# Altium PCB radxa_nx4_io_board_v1.11.PcbDoc (part 9 of 13) (continued)
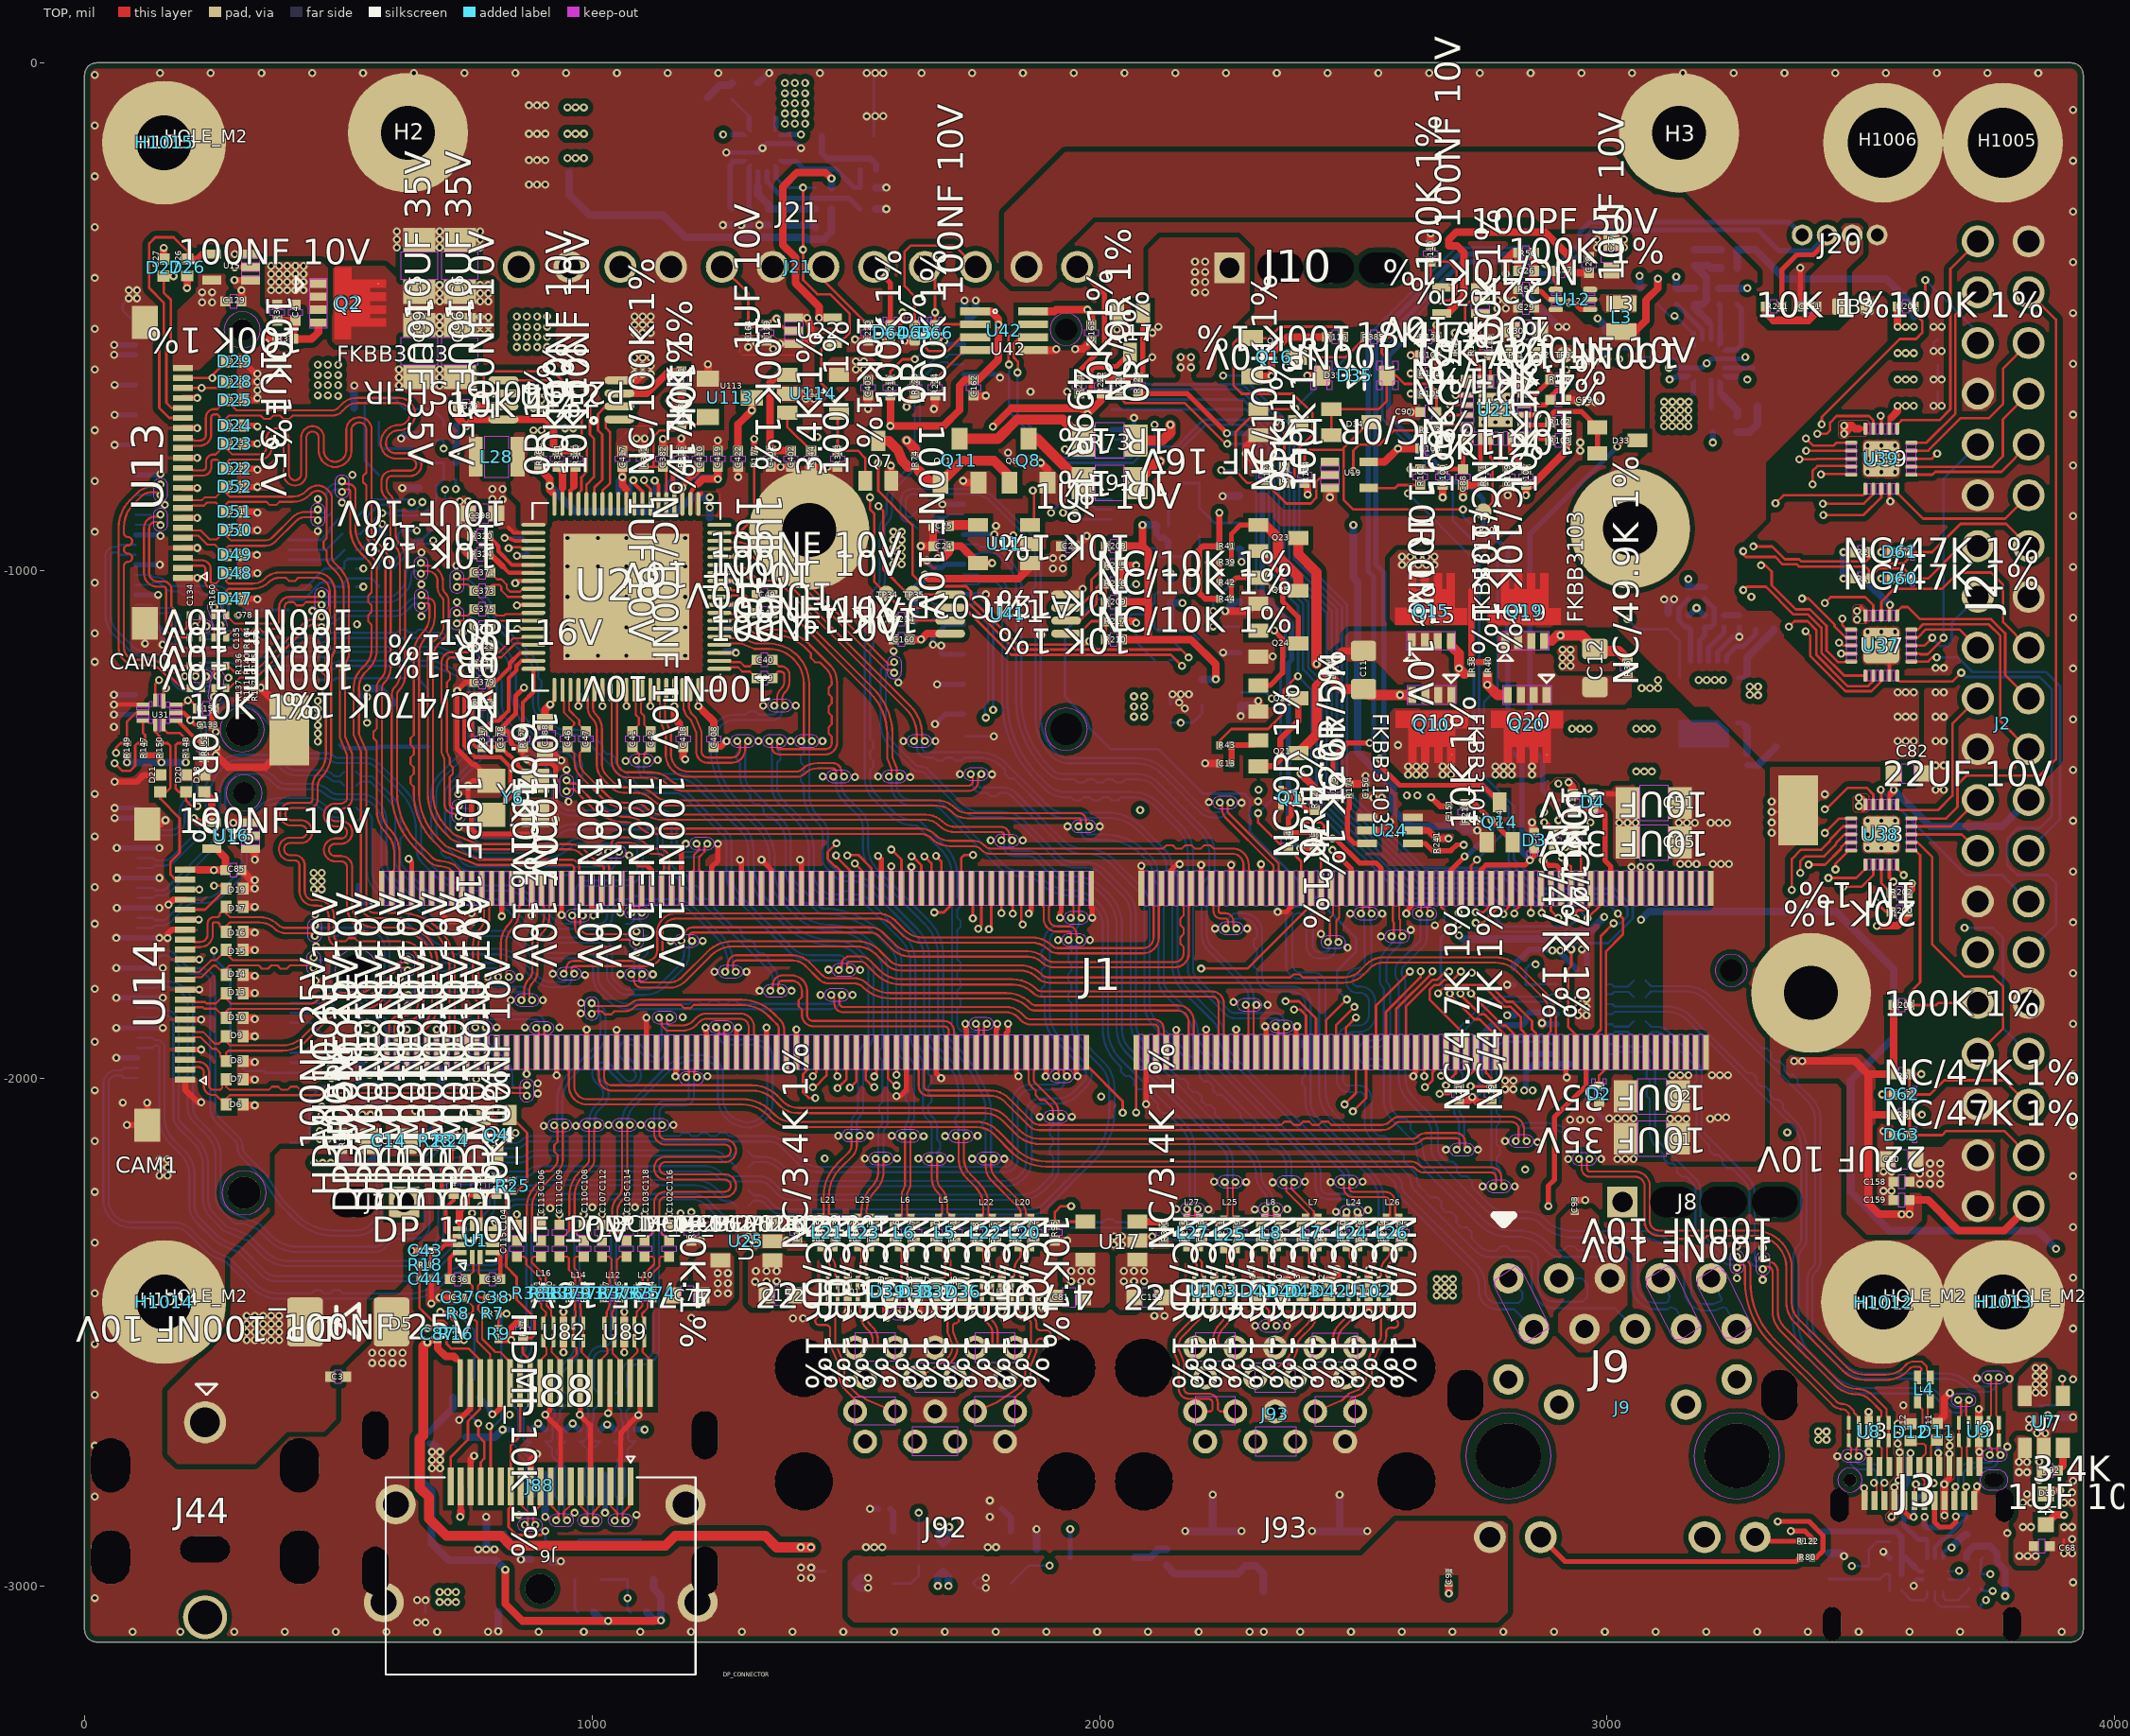
[diagram p0: TOP view]
## Nets (pads, with @x,y where several pads share a name; then routed paths per layer and width w, separated by ;. In a path a pad name is that pad's centre, name@x,y a point inside that pad or via, vN(x,y) a via of type N, cw(c..) or ccw(c..) an arc to the next point about the centre after c; other vN are vias at no path point) (continued)
  TOP w5: U38.14@3599.24,-1504.25 3677.75,-1504.25 J2.18@3730,-1452
SPI1_CS1: J1.112 U38.4 | length 2408.8
  TOP w5: v1(1655.06,-1563.06) 1668.69,-1576.69 J1.112@1668.69,-1626.09 ; v1(3396.85,-1579.45) 3429.33,-1579.45 3460.46,-1548.32 3460.69,-1547.16 3462.01,-1543.97 3470.23,-1535.75 U38.4@3480.76,-1535.75
  ART04 w5: v1(1655.06,-1563.06) 1688.63,-1596.63 1892.05,-1596.63 1923.92,-1628.5 2010.07,-1628.5 2057.28,-1675.71 2304.92,-1675.71 2456.71,-1827.5 2493.1,-1827.5 2561.48,-1895.88 2746.46,-1895.88 2790.32,-1852.02 2790.32,-1838.17 2795.32,-1833.17 2809.17,-1833.17 2823.01,-1819.33 2823.01,-1803.69 2818.01,-1798.69 2801.4,-1798.69 2796.4,-1793.69 2796.4,-1783.69 2801.4,-1778.69 2818.01,-1778.69 2823.01,-1773.69 2823.01,-1765.38 2829.06,-1759.33 2879.33,-1759.33 2886.9,-1766.9 2952.94,-1766.9 2972.07,-1747.77 3088.23,-1747.77 3216.88,-1619.12 3258.91,-1619.12 3298.58,-1579.45 3327.3,-1579.45 3332.3,-1574.45 3332.3,-1564.17 3337.3,-1559.17 3347.3,-1559.17 3352.3,-1564.17 3352.3,-1574.45 3357.3,-1579.45 3368,-1579.45 3372,-1575.45 3372,-1525.47 3377,-1520.47 3391.85,-1520.47 3396.85,-1525.47 v1(3396.85,-1579.45)
SPI1_CS1_LS: J2.16 U38.13 | length 144
  TOP w5: U38.13@3599.24,-1520 3698,-1520 J2.16@3730,-1552
SPI1_MISO: J1.108 U38.1 | length 2415.7
  TOP w5: J1.108@1629.32,-1626.09 v1(1629.32,-1584) ; v1(3428.74,-1517.12) 3457.36,-1488.5 U38.1@3480.76,-1488.5
  ART04 w5: v1(1629.32,-1584) 1667.95,-1622.63 1881.27,-1622.63 1913.14,-1654.5 1999.28,-1654.5 2066.49,-1721.71 2314.14,-1721.71 2457.95,-1865.52 2457.95,-1886.44 2493.39,-1921.88 2798.85,-1921.88 2837,-1883.73 2837,-1842.14 2886.24,-1792.9 2963.72,-1792.9 2982.85,-1773.77 3145.04,-1773.77 3231.86,-1686.95 3238.95,-1686.95 3257.34,-1705.34 3264.42,-1705.34 3271.51,-1698.25 3271.51,-1691.17 3255.71,-1675.37 3255.71,-1668.29 3262.78,-1661.22 3269.86,-1661.22 3285.66,-1677.02 3292.74,-1677.02 3299.81,-1669.95 3299.81,-1662.87 3286.01,-1649.07 3286.01,-1641.99 3293.08,-1634.92 3300.16,-1634.92 3313.96,-1648.72 3321.04,-1648.72 3328.11,-1641.65 3328.11,-1634.57 3324.31,-1630.77 3324.31,-1623.69 3331.38,-1616.62 3338.46,-1616.62 3342.26,-1620.42 3349.34,-1620.42 3357.23,-1612.53 3387.11,-1612.53 3428.74,-1570.9 v1(3428.74,-1517.12)
SPI1_MISO_LS: J2.22 U38.16 | length 341.6
  TOP w5: U38.16@3571.5,-1460.76 3571.5,-1467.76 3575.74,-1472 3652,-1472 3680,-1444 3680,-1302 J2.22@3730,-1252
SPI1_MOSI: J1.104 U38.2 | length 2409
  TOP w5: J1.104@1589.95,-1626.09 v1(1589.95,-1582.81) ; v1(3363.77,-1629.33) 3363.77,-1568.19 3382.01,-1549.95 3422.05,-1549.95 3437.98,-1534.02 3439.96,-1529.24 3464.95,-1504.25 U38.2@3480.76,-1504.25
  ART04 w5: v1(1589.95,-1582.81) 1642.77,-1635.63 1875.88,-1635.63 1907.75,-1667.5 1993.89,-1667.5 2061.1,-1734.71 2308.75,-1734.71 2444.95,-1870.91 2444.95,-1891.83 2488,-1934.88 2576.95,-1934.88 2581.95,-1939.88 2581.95,-1955 2586.95,-1960 2596.95,-1960 2601.95,-1955 2601.95,-1939.88 2606.95,-1934.88 2616.95,-1934.88 2621.95,-1939.88 2621.95,-1955 2626.95,-1960 2636.95,-1960 2641.95,-1955 2641.95,-1939.88 2646.95,-1934.88 2804.24,-1934.88 2850,-1889.12 2850,-1847.53 2891.63,-1805.9 2969.11,-1805.9 2988.24,-1786.77 3150.44,-1786.77 3216.71,-1720.5 3272.6,-1720.5 v1(3363.77,-1629.33)
SPI1_MOSI_LS: J2.37 U38.15 | length 1301.2
  TOP w5: U38.15@3599.24,-1488.5 3667.5,-1488.5 3690,-1466 3690,-1422 3708,-1404 3852,-1404 3884,-1372 3884,-506 J2.37@3830,-452
SPI1_SCK: J1.106 U38.19 | length 2419
  TOP w5: v1(1589.95,-1549.81) 1609.64,-1569.5 J1.106@1609.64,-1626.09 ; v1(3428.79,-1470.5) 3431.51,-1470.5 3474.01,-1428 3511,-1428 3524.25,-1441.25 U38.19@3524.25,-1460.76
  ART04 w5: v1(1589.95,-1549.81) 1611.95,-1527.81 1668.61,-1527.81 1719.43,-1578.63 1899.51,-1578.63 1931.38,-1610.5 2017.53,-1610.5 2064.74,-1657.71 2312.38,-1657.71 2464.17,-1809.5 2500.56,-1809.5 2568.94,-1877.88 2736.23,-1877.88 2772.32,-1841.79 2772.32,-1782.31 2813.3,-1741.33 2842.27,-1741.33 2853.83,-1729.77 3027.3,-1729.77 3034.57,-1722.5 3088.04,-1722.5 3209.42,-1601.12 3251.45,-1601.12 3296.57,-1556 3315.01,-1556 3400.51,-1470.5 v1(3428.79,-1470.5)
SPI1_SCK_LS: J2.13 U38.18 | length 411.3
  TOP w5: v1(3539,-1432) 3540,-1433 U38.18@3540,-1460.76
  BOTTOM w5: v1(3539,-1432) 3707,-1600 3778,-1600 J2.13@3830,-1652
SUSCLK_32KHZ: J1.210 U5.2 | length 740.3
  TOP w5: v1(2707.51,-1674.19) 2712,-1669.7 J1.210@2712,-1626.09
  ART04 w5: v1(2339,-1252) 2351.71,-1252 2427.85,-1328.14 2427.85,-1444.95 2580.98,-1598.08 2653.13,-1598.08 2707.51,-1652.46 v1(2707.51,-1674.19)
  BOTTOM w5: U5.2@2278.19,-1240 2327,-1240 v1(2339,-1252)
SYS_RST*: C164.1 D2.2 J1.239 J21.8 R119.1 U22.2 | length 3124.3
  TOP w5: J21.8@1256,-402.18 1308,-454.18 C164.1@1308,-520.19 1308.19,-520 1324,-520 1327.75,-516.25 R119.1@1344,-516.25 1356.25,-504 v1(1364,-504) 1364,-508 1384,-528 U22.2@1397.81,-528 ; D2.2@2984,-2016 2984,-1994.84 2997.43,-1981.41 J1.239@2997.43,-1948.92 2997.43,-1750.57 3031.2,-1716.8 3031.2,-1685.89 v1(3021.31,-1676)
  ART04 w5: v1(1364,-504) 1402.24,-504 1417.15,-518.91 1594.91,-518.91 1607.33,-531.33 1750.37,-531.33 1781.54,-562.5 1819.34,-562.5 1888.34,-631.5 2228.02,-631.5 v1(2243.52,-616)
  BOTTOM w5: v1(2243.52,-616) 2278.58,-616 2393.52,-730.94 2393.52,-973.52 2487.5,-1067.5 2487.5,-1433.84 2639.66,-1586 2805.05,-1586 2866.08,-1647.03 2992.34,-1647.03 v1(3021.31,-1676)
TN1_V+: J8.1 J9.11 | length 578.6
  ART04 w20: J9.11@2805.24,-2593.21 2744,-2531.97 2744,-2384 2780,-2348 2819.43,-2348 2863.43,-2304 2970,-2304 J8.1@3030,-2244
TN2_V+: J8.2 J9.12 | length 621
  ART04 w20: J9.12@2905.24,-2643.21 2905.24,-2473.24 2856,-2424 2856,-2368 2876,-2348 3026,-2348 J8.2@3130,-2244
TN3_V+: J8.3 J9.13 | length 533.7
  ART04 w20: J9.13@3155.24,-2643.21 3108,-2595.97 3108,-2472 3060,-2424 3060,-2372 3100,-2332 3142,-2332 J8.3@3230,-2244
TN4_V+: J8.4 J9.14 | length 403.4
  ART04 w20: J9.14@3255.24,-2593.21 3308,-2540.45 3308,-2468 3280,-2440 3280,-2324.58 3330,-2274.58 J8.4@3330,-2244
UART0_CTS: J1.105 J15.34 | length 1393.8
  TOP w5: v1(1599.8,-1993.4) J1.105@1599.8,-1948.92
  ART03 w5: v1(1599.8,-1993.4) 1606.3,-1986.9 1606.3,-1704.15 1724.42,-1586.03 1724.42,-1539.07 1866.5,-1396.99 1866.5,-948.28 v1(1928.32,-886.46)
  BOTTOM w5: v1(1928.32,-886.46) 1944.82,-869.96 1984,-869.96 1993.69,-879.65 J15.34@2023.74,-879.65
UART0_RTS: J1.103 J15.36 | length 1435.4
  TOP w5: J1.103@1580.11,-1948.92 1580.11,-1980.11 1583,-1983 1583,-2000.6 1596.8,-2014.4 v1(1599.8,-2014.4)
  ART03 w5: v1(1599.8,-2014.4) 1606.8,-2014.4 1616.3,-2004.9 1616.3,-1708.3 1734.42,-1590.18 1734.42,-1543.22 1876.5,-1401.14 1876.5,-953.35 1926.89,-902.96 1935.82,-902.96 v1(1952.32,-886.46)
  BOTTOM w5: v1(1952.32,-886.46) 1965.19,-899.33 J15.36@2023.74,-899.33
UART0_RXD: J1.101 J15.22 | length 1532
  TOP w5: v1(1556.1,-1996.62) 1560.43,-1992.29 J1.101@1560.43,-1948.92
  ART03 w5: v1(1556.1,-1996.62) 1556.1,-1992.9 1586.3,-1962.7 1586.3,-1695.85 1704.42,-1577.73 1704.42,-1530.77 1846.5,-1388.69 1846.5,-905.3 1932,-819.8 v1(1932,-761.54)
  BOTTOM w5: v1(1932,-761.54) J15.22@2023.74,-761.54
UART0_TXD: J1.99 J15.32 | length 1486
  TOP w5: J1.99@1540.74,-1948.92 1540.74,-1985.32 1539.6,-1986.46 1539.6,-2003.46 1553.76,-2017.62 v1(1556.1,-2017.62)
  ART03 w5: v1(1556.1,-2017.62) 1560.9,-2017.62 1576,-2002.52 1576,-1987.16 1596.3,-1966.86 1596.3,-1700 1714.42,-1581.88 1714.42,-1534.92 1856.5,-1392.84 1856.5,-934.28 v1(1904.32,-886.46)
  BOTTOM w5: v1(1904.32,-886.46) 1930.82,-859.96 J15.32@2023.74,-859.96
UART1_CTS: J1.209 U38.7 | length 1124
  TOP w5: v1(2682.46,-2014.21) 2682.46,-2010.08 2702.16,-1990.38 J1.209@2702.16,-1948.92 ; v1(3465,-1623.06) 3500.94,-1623.06 3524.25,-1599.75 U38.7@3524.25,-1579.24
  ART04 w5: v1(2682.46,-2014.21) 2714.67,-1982 2946.55,-1982 2966.55,-2002 3036.45,-2002 3064.45,-1974 3097.81,-1974 3199.78,-1872.03 3216.03,-1872.03 v1(3465,-1623.06)
UART1_CTS_LS: J2.36 R201.2 U38.10 | length 1614.8
  TOP w5: v1(3422.65,-712) 3422.65,-698.01 3576.66,-544 3608.5,-544 3620.5,-532 3620.5,-508.51 3603.75,-491.76 R201.2@3603.75,-480 3603.75,-456 3621.09,-456 3626.59,-450.5 v1(3626.59,-428) ; U38.10@3571.5,-1579.24 3571.5,-1587.5 v1(3584,-1600)
  ART04 w5: v1(3422.65,-712) 3428,-712 3442.14,-726.14 3442.14,-897.8 3428,-911.94 3428,-1037.22 3446.73,-1055.95 3446.73,-1092.77 3426.99,-1112.51 3426.99,-1183.49 3529.5,-1286 3529.5,-1353.62 3591.5,-1415.62 3591.5,-1455.01 3614,-1477.51 3614,-1570 v1(3584,-1600)
  BOTTOM w5: v1(3626.59,-428) 3730,-531.41 J2.36@3730,-552
UART1_RTS: J1.207 U37.7 | length 1868.1
  TOP w5: v1(2672.65,-1995.64) 2682.47,-1985.82 J1.207@2682.47,-1948.92 ; v1(3358.1,-1110.73) 3368.83,-1100 3394.69,-1100 3412,-1117.31 3412,-1166.4 3473.34,-1227.74 3514.28,-1227.74 3524.25,-1217.77 U37.7@3524.25,-1207.24
  ART04 w5: v1(2672.65,-1995.64) 2696.29,-1972 2950.7,-1972 2970.7,-1992 3032.3,-1992 3060.3,-1964 3093.66,-1964 3197.41,-1860.25 3197.41,-1786.49 3230.4,-1753.5 3311.22,-1753.5 3466.18,-1598.54 3466.18,-1575.6 3446.79,-1556.21 3446.79,-1291 3358.1,-1202.31 v1(3358.1,-1110.73)
UART1_RTS_LS: J2.11 U37.10 | length 1011.9
  TOP w5: U37.10@3571.5,-1207.24 3571.5,-1214.5 3576,-1219 3679.96,-1219 v1(3697.48,-1201.48)
  BOTTOM w5: v1(3697.48,-1201.48) 3706,-1210 3852,-1210 3876,-1234 3876,-1484 3852,-1508 3808,-1508 3788,-1528 3788,-1580 3808,-1600 3868,-1600 3884,-1616 3884,-1698 J2.11@3830,-1752
UART1_RXD: J1.205 U38.6 | length 1200.3
  TOP w5: v1(2641.19,-2017.37) 2642.96,-2017.37 2656.15,-2004.18 2656.15,-1988.39 2662.79,-1981.75 J1.205@2662.79,-1948.92 ; v1(3435.81,-1605.57) 3490.43,-1605.57 3508.5,-1587.5 U38.6@3508.5,-1579.24
  ART04 w5: v1(2641.19,-2017.37) 2641.98,-2017.37 2656.15,-2003.2 2656.15,-1988.8 2682.95,-1962 2954.85,-1962 2974.85,-1982 3028.15,-1982 3056.15,-1954 3089.51,-1954 3187.41,-1856.1 3187.41,-1782.34 3226.25,-1743.5 3297.88,-1743.5 v1(3435.81,-1605.57)
UART1_RXD_LS: J2.10 R203.2 U38.11 | length 461
  TOP w5: U38.11@3599.24,-1551.5 3607.5,-1551.5 3616.5,-1560.5 3616.5,-1811.5 3595.75,-1832.25 R203.2@3595.75,-1856 3648,-1856 3652,-1852 J2.10@3730,-1852
UART1_TXD: J1.203 U38.5 | length 1143.2
  TOP w5: v1(2639.64,-1996.37) 2639.64,-1984.86 2643.1,-1981.4 J1.203@2643.1,-1948.92 ; v1(3449.68,-1588.89) 3449.68,-1577.5 3475.68,-1551.5 U38.5@3480.76,-1551.5
  ART04 w5: v1(2639.64,-1996.37) 2639.64,-1991.16 2678.8,-1952 2959,-1952 2979,-1972 3024,-1972 3052,-1944 3084.36,-1944 3177.41,-1850.95 3177.41,-1778.19 3222.1,-1733.5 3284.54,-1733.5 3429.15,-1588.89 v1(3449.68,-1588.89)
UART1_TXD_LS: J2.8 U38.12 | length 552
  TOP w5: U38.12@3599.24,-1535.75 3611.75,-1535.75 3640,-1564 3640,-1736 3704,-1800 3760,-1800 3780,-1820 3780,-1902 J2.8@3730,-1952
UART2_RXD: J1.238 U42.6 | length 2254.4
  TOP w5: v1(1838.27,-610.27) 1839.06,-609.48 1839.06,-588.38 1830.94,-580.26 1830.94,-553.06 1843.2,-540.8 U42.6@1869.09,-540.8 ; v1(2961.26,-1685.09) 2961.26,-1684.91 2987.59,-1658.58 J1.238@2987.59,-1626.09
  BOTTOM w5: v1(1838.27,-610.27) 1838.27,-691.15 1925.16,-778.04 2061.96,-778.04 2084,-756 2151.46,-756 2204.3,-703.16 2294.99,-703.16 2343.52,-751.69 2343.52,-994.27 2410.94,-1061.69 2410.94,-1190.85 2437.5,-1217.41 2437.5,-1454.59 2618.91,-1636 2752.34,-1636 2776,-1659.66 2776,-1680.35 2796.65,-1701 2911.13,-1701 2920,-1692.13 2920,-1679.72 2930.95,-1668.77 2944.94,-1668.77 v1(2961.26,-1685.09)
UART2_RXD_LS: D65.2 J21.3 U42.3 | length 485.2
  TOP w5: U42.3@1754.91,-540.8 1727.2,-540.8 1700,-568 1664,-568 1656,-560 1656,-528 1644,-516 D65.2@1636,-516 1636,-460 1616,-440 1616,-372 1628,-360 1713.82,-360 J21.3@1756,-402.18
UART2_TXD: J1.236 U42.7 | length 2270.9
  TOP w5: v1(1821.77,-594.44) 1820.94,-593.61 1820.94,-539.52 1845.26,-515.2 U42.7@1869.09,-515.2 ; v1(2937.79,-1685.27) 2937.79,-1674.05 2942.8,-1669.04 2957.43,-1669.04 2967.91,-1658.56 J1.236@2967.91,-1626.09
  BOTTOM w5: v1(1821.77,-594.44) 1821.77,-688.81 1921,-788.04 2066.11,-788.04 2088.15,-766 2155.61,-766 2208.45,-713.16 2290.84,-713.16 2333.52,-755.84 2333.52,-998.42 2400.94,-1065.84 2400.94,-1195 2427.5,-1221.56 2427.5,-1458.74 2614.76,-1646 2748.19,-1646 2766,-1663.81 2766,-1684.5 2792.5,-1711 2915.28,-1711 2937.79,-1688.49 v1(2937.79,-1685.27)
UART2_TXD_LS: D66.2 J21.4 R219.2 U42.2 | length 384.1
  TOP w5: R219.2@1588,-624.25 1588,-608 1612,-584 v1(1636,-584) ; J21.4@1656,-402.18 1676,-422.18 v1(1676,-492) D66.2@1676,-516 1676.8,-515.2 U42.2@1754.91,-515.2
  BOTTOM w5: v1(1636,-584) 1648,-572 1648,-520 v1(1676,-492)
USB0_AP_N: J1.109 L4.4 | length 2533.7
  TOP w4.06: J1.109@1639.17,-1948.92 1639.17,-1980.74 1643.83,-1985.4 1643.83,-2016 ccw(c1662.19,-2016) 1662.19,-2034.36 1783.98,-2034.36 cw(c1783.97,-2076.14) 1813.52,-2046.6 1860.11,-2093.19 ccw(c1882.25,-2071.04) 1882.26,-2102.36 2555.57,-2102.36 ccw(c2555.57,-2068.39) 2579.59,-2092.41 2582.22,-2089.78 cw(c2590.47,-2098.01) 2590.46,-2086.36 2811.68,-2086.36 cw(c2811.68,-2100.19) 2825.51,-2100.19 2825.51,-2118.63 v1(2820.19,-2123.95) ; v1(2965.32,-2159) 2960,-2164.32 2960,-2177.41 ccw(c2966.59,-2177.41) 2966.59,-2184 3055.2,-2184 cw(c3055.2,-2212.8) 3084,-2212.8 3084,-2282.17 ccw(c3101.83,-2282.17) 3101.83,-2300 3289.79,-2300 cw(c3289.79,-2373.63) 3363.42,-2373.63 3363.42,-2442.43 ccw(c3407.67,-2442.43) 3376.38,-2473.72 3471.47,-2568.94 ccw(c3507.67,-2532.97) 3507.67,-2584 3548.58,-2584 ccw(c3548.58,-2532.18) 3578.42,-2574.55 ccw(c3568.69,-2560.68) 3580.66,-2572.69 ; 3580.67,-2572.67 3591.46,-2561.88 3600.66,-2558.07 3619.83,-2558.07 3629.18,-2567.42 3629.18,-2575.47 3636.8,-2583.09 L4.4@3636.8,-2589.24
  BOTTOM w4.06: v1(2820.19,-2123.95) 2825.51,-2118.63 2825.51,-2104 cw(c2841.68,-2104) 2841.68,-2087.83 2873.78,-2087.83 cw(c2873.78,-2182.95) 2941.04,-2115.69 2952.9,-2127.55 cw(c2934.89,-2145.56) 2960.36,-2145.56 2960.36,-2154.04 v1(2965.32,-2159)
USB0_AP_P: J1.111 L4.3 | length 2532
  TOP w4.06: J1.111@1658.85,-1948.92 1658.85,-1980.74 1654.19,-1985.4 1654.19,-2016 ccw(c1662.19,-2016) 1662.19,-2024 1783.98,-2024 cw(c1783.98,-2076.15) 1820.85,-2039.27 1867.44,-2085.86 ccw(c1882.26,-2071.04) 1882.25,-2092 2357.69,-2092 2363.99,-2085.7 2376.17,-2085.7 2382.47,-2092 2394.65,-2092 2400.95,-2085.7 2413.13,-2085.7 2419.43,-2092 2431.61,-2092 2437.91,-2085.7 2450.09,-2085.7 2456.39,-2092 2555.57,-2092 ccw(c2555.56,-2068.4) 2572.26,-2085.08 2574.88,-2082.45 cw(c2590.45,-2098.02) 2590.45,-2076 2811.68,-2076 cw(c2811.68,-2100.19) 2835.87,-2100.19 2835.87,-2118.63 v1(2841.19,-2123.95) ; v1(2944.32,-2159) 2949.64,-2164.32 2949.64,-2177.41 ccw(c2966.59,-2177.41) 2966.59,-2194.36 3055.2,-2194.36 cw(c3055.2,-2212.8) 3073.64,-2212.8 3073.64,-2282.17 ccw(c3101.83,-2282.17) 3101.83,-2310.36 3135.61,-2310.36 3141.91,-2316.66 3154.09,-2316.66 3160.39,-2310.36 3172.57,-2310.36 3178.87,-2316.66 3191.05,-2316.66 3197.35,-2310.36 3209.53,-2310.36 3215.83,-2316.66 3228.01,-2316.66 3234.31,-2310.36 3289.79,-2310.36 cw(c3289.79,-2373.63) 3353.06,-2373.63 3353.06,-2442.43 ccw(c3407.68,-2442.44) 3369.05,-2481.05 3464.12,-2576.26 ccw(c3507.65,-2532.96) 3507.67,-2594.36 3548.57,-2594.36 ccw(c3548.59,-2532.17) 3584.38,-2583.03 3584.97,-2583.03 3597.33,-2570.67 3602.73,-2568.43 3615.53,-2568.43 3618.82,-2571.72 3618.82,-2575.47 3611.2,-2583.09 L4.3@3611.2,-2589.24
  BOTTOM w4.06: v1(2841.19,-2123.95) 2835.87,-2118.63 2835.87,-2104 cw(c2841.68,-2104) 2841.68,-2098.19 2873.78,-2098.19 cw(c2873.77,-2182.95) 2933.71,-2123.02 2945.57,-2134.88 cw(c2934.89,-2145.57) 2950,-2145.56 2950,-2153.32 v1(2944.32,-2159)
USB0_CON_N: D11.2 J3.A7 J3.B7 L4.1 | length 249.3
  TOP w4.06: J3.B7@3605.24,-2831.73 3605.24,-2802.76 v1(3608,-2800) ; L4.1@3636.8,-2636.48 3636.8,-2643.2 3631.48,-2648.52 3631.48,-2695.19 D11.2@3649.51,-2713.22 3637.97,-2724.76 3637.97,-2754.03 3634.84,-2757.16 3634.84,-2765.11 J3.A7@3634.76,-2765.19 3634.76,-2789.08 v1(3643.15,-2797.47)
  BOTTOM w4.06: v1(3608,-2800) 3640.62,-2800 v1(3643.15,-2797.47)
USB0_CON_P: D12.2 J3.A6 J3.B6 L4.2 | length 250.5
  TOP w4.06: L4.2@3611.2,-2636.48 3611.2,-2643.12 3621.12,-2653.04 3621.12,-2703.94 3617.06,-2708 3603.59,-2708 D12.2@3597.51,-2714.08 3603.43,-2720 3623.55,-2720 3627.61,-2724.06 3627.61,-2739.19 3615.08,-2751.72 J3.A6@3615.08,-2765.19 3615.08,-2782.49 3624.92,-2792.33 J3.B6@3624.92,-2831.73
USB0_VBUS_DET*: J1.87 R85.1 R126.2 | length 3535
  TOP w5: J1.87@1422.63,-1948.92 1422.63,-1985.36 1416,-1991.99 1416,-2028 1426.97,-2038.97 v1(1440.22,-2038.97)
  ART04 w5: v1(1440.22,-2038.97) 1453.25,-2052 1545.06,-2052 1576,-2021.06 1576,-1993.86 1592.96,-1976.9 1976.91,-1976.9 2019.51,-2019.5 2415.43,-2019.5 2631.23,-2235.3 2938.42,-2235.3 2968.22,-2205.5 3231.26,-2205.5 3347.51,-2089.25 3369.44,-2089.25 3384.12,-2103.93 3384.12,-2835.55 3575.07,-3026.5 3705.08,-3026.5 v1(3754.72,-2976.86)
  BOTTOM w5: R126.2@3739.75,-2944.86 3735.81,-2948.8 R85.1@3735.81,-2975.86 3735.81,-2976.86 v1(3754.72,-2976.86)
USB1_AP_N: J1.115 R321.2 | length 1756
  TOP w4.06: v1(737.56,-1463.32) 732.24,-1468.64 728,-1468.64 cw(c728,-1460.64) 720,-1460.64 720,-1406.31 726.3,-1400.01 726.3,-1387.83 720,-1381.53 720,-1369.35 714.38,-1355.78 714.38,-1220.39 720.68,-1214.09 720.68,-1201.91 714.38,-1195.61 714.38,-1180.8 cw(c724,-1180.8) 724,-1171.18 755.43,-1171.18 R321.2@768.25,-1184 ; v1(1372.37,-1828.04) 1367.05,-1822.72 1367.05,-1816.07 cw(c1375.12,-1816.07) 1375.12,-1808 1393.64,-1808 cw(c1393.64,-1828) 1413.64,-1828 1413.64,-1840.18 1407.34,-1846.48 1407.34,-1858.66 1413.64,-1864.96 1413.64,-1875.18 ccw(c1436.16,-1875.18) 1436.16,-1897.7 1693.84,-1897.7 cw(c1693.84,-1906.75) 1702.89,-1906.75 1702.89,-1912.43 1698.22,-1917.1 J1.115@1698.22,-1948.92
  BOTTOM w4.06: v1(737.56,-1463.32) 742.88,-1468.64 751,-1468.64 cw(c751,-1488) 770.36,-1488 770.36,-1508 ccw(c790.94,-1508) 790.94,-1528.58 893.62,-1528.58 ccw(c893.61,-1485.59) 924.01,-1515.99 924.05,-1515.95 cw(c962.96,-1554.86) 962.97,-1499.83 1111.58,-1499.83 cw(c1111.58,-1528) 1139.75,-1528 1139.75,-1544.47 ccw(c1186.3,-1544.47) 1153.38,-1577.38 1171.23,-1595.23 1180.15,-1595.23 1188.77,-1603.85 1188.77,-1612.77 1197.38,-1621.38 1206.3,-1621.38 1214.91,-1629.99 1214.91,-1638.91 1223.52,-1647.52 1232.44,-1647.52 1241.05,-1656.13 1241.05,-1665.05 1277.23,-1701.23 1286.15,-1701.23 1294.77,-1709.85 1294.77,-1718.77 1303.38,-1727.38 1312.3,-1727.38 1320.91,-1735.99 1320.91,-1744.91 1329.52,-1753.52 1338.44,-1753.52 1347.05,-1762.13 1347.05,-1771.05 1355.73,-1779.73 cw(c1328.4,-1807.06) 1367.05,-1807.06 1367.05,-1822.72 v1(1372.37,-1828.04)
USB1_AP_P: J1.117 R322.2 | length 1757.8
  TOP w4.06: v1(737.56,-1484.32) 732.24,-1479 728,-1479 cw(c728,-1460.64) 709.64,-1460.64 709.64,-1371.42 704.02,-1357.85 704.02,-1180.8 cw(c724,-1180.8) 724,-1160.82 755.43,-1160.82 R322.2@768.25,-1148 ; v1(1351.37,-1828.04) 1356.69,-1822.72 1356.69,-1816.07 cw(c1375.12,-1816.07) 1375.12,-1797.64 1393.64,-1797.64 cw(c1393.64,-1828) 1424,-1828 1424,-1875.18 ccw(c1436.16,-1875.18) 1436.16,-1887.34 1693.84,-1887.34 cw(c1693.84,-1906.75) 1713.25,-1906.75 1713.25,-1912.45 1717.91,-1917.11 J1.117@1717.91,-1948.92
  BOTTOM w4.06: v1(737.56,-1484.32) 742.88,-1479 751,-1479 cw(c751,-1488) 760,-1488 760,-1508 ccw(c790.94,-1508) 790.94,-1538.94 893.62,-1538.94 ccw(c893.62,-1485.59) 931.34,-1523.32 931.38,-1523.28 cw(c962.97,-1554.85) 962.97,-1510.19 1111.58,-1510.19 cw(c1111.58,-1528) 1129.39,-1528 1129.39,-1544.47 ccw(c1186.3,-1544.48) 1146.05,-1584.71 1348.4,-1787.06 cw(c1328.4,-1807.07) 1356.69,-1807.06 1356.69,-1822.72 v1(1351.37,-1828.04)
USB2_AP_N: J1.121 J15.5 | length 1656.4
  TOP w4.06: v1(1756.62,-1892.97) 1761.94,-1898.29 1761.94,-1912.44 1757.28,-1917.1 J1.121@1757.28,-1948.92
  BOTTOM w4.06: 1581.31,-906.93 ccw(c1591.18,-916.8) 1577.22,-916.8 1577.22,-1018.48 cw(c1547.53,-1018.48) 1568.52,-1039.48 1560.88,-1047.12 ccw(c1591.99,-1078.22) 1548,-1078.22 1548,-1095.61 1554.3,-1101.91 1554.3,-1114.09 1548,-1120.39 1548,-1132.57 1554.3,-1138.87 1554.3,-1151.05 1548,-1157.35 1548,-1331.61 1554.3,-1337.91 1554.3,-1350.09 1548,-1356.39 1548,-1368.57 1554.3,-1374.87 1554.3,-1387.05 1548,-1393.35 1548,-1410 ccw(c1594.74,-1409.98) 1561.69,-1443.03 1592.16,-1473.5 ccw(c1636.82,-1428.86) 1636.82,-1492 ; 1581.32,-906.92 ccw(c1558.11,-883.7) 1590.94,-883.71 1590.94,-862.9 cw(c1634.03,-862.91) 1603.57,-832.43 1634.88,-801.12 ccw(c1607.08,-773.33) 1646.39,-773.33 1646.39,-635.61 cw(c1670.58,-635.61) 1653.47,-618.51 1672.62,-599.36 cw(c1696.29,-623) 1696.28,-589.55 1699.85,-589.55 1704.52,-594.22 J15.5@1732.4,-594.22 ; 1636.83,-1492 cw(c1636.83,-1510.95) 1650.23,-1497.55 1695.96,-1543.28 cw(c1638.93,-1600.32) 1719.59,-1600.32 1719.59,-1643.61 1725.89,-1649.91 1725.89,-1662.09 1719.59,-1668.39 1719.59,-1683.61 1725.89,-1689.91 1725.89,-1702.09 1719.59,-1708.39 1719.59,-1765.69 1725.89,-1771.99 1725.89,-1784.17 1719.59,-1790.47 1719.59,-1802.65 1725.89,-1808.95 1725.89,-1821.13 1719.59,-1827.43 1719.59,-1839.61 1725.89,-1845.91 1725.89,-1858.09 1719.59,-1864.39 1719.59,-1893 ccw(c1735.59,-1893) 1735.59,-1909 1756.94,-1909 ccw(c1756.94,-1904) 1761.94,-1904 1761.94,-1898.29 v1(1756.62,-1892.97)
USB2_AP_P: J1.123 J15.3 | length 1658.3
  TOP w4.06: J1.123@1776.96,-1948.92 1776.96,-1917.1 1772.3,-1912.44 1772.3,-1898.29 v1(1777.62,-1892.97)
  BOTTOM w4.06: 1636.82,-1502.36 cw(c1636.81,-1428.85) 1584.83,-1480.83 1554.36,-1450.36 cw(c1594.74,-1409.99) 1537.64,-1410.01 1537.64,-1078.22 cw(c1591.99,-1078.21) 1553.55,-1039.79 1561.19,-1032.15 ccw(c1547.53,-1018.49) 1566.85,-1018.48 1566.86,-916.79 cw(c1591.19,-916.8) 1573.98,-899.6 ccw(c1558.11,-883.69) 1580.58,-883.7 1580.58,-862.89 cw(c1634.03,-862.9) 1596.24,-825.1 1627.55,-793.79 ccw(c1607.08,-773.32) 1636.03,-773.32 1636.03,-635.6 cw(c1670.58,-635.6) 1646.14,-611.18 1665.29,-592.03 cw(c1696.28,-623.01) 1696.28,-579.19 1699.85,-579.19 1704.51,-574.53 J15.3@1732.4,-574.53 ; 1636.83,-1502.36 cw(c1636.82,-1510.95) 1642.9,-1504.88 1688.63,-1550.61 cw(c1638.93,-1600.33) 1709.23,-1600.33 1709.23,-1893 ccw(c1735.59,-1893) 1735.59,-1919.36 1756.94,-1919.36 ccw(c1756.94,-1904) 1772.3,-1904 1772.3,-1898.29 v1(1777.62,-1892.97)
USBC_CC1: C67.1 D32.1 J3.A5 U2.6 | length 276.3
  TOP w10: J3.A5@3595.39,-2765.19 3595.39,-2740.39 v1(3597.39,-2738.39)
  BOTTOM w8: C67.1@3628,-2908.67 3630.25,-2910.92 U2.6@3630.25,-2945.4
  BOTTOM w10: v1(3597.39,-2738.39) 3592,-2743.78 3592,-2793.48 3584,-2812.8 3584,-2816.01 3572.24,-2827.77 D32.1@3572.24,-2836.49 3572.24,-2848.25 3584,-2860.01 3584,-2880 3612.67,-2908.67 C67.1@3628,-2908.67
USBC_CC2: C71.1 D31.1 J3.B5 U2.7 | length 240.2
  TOP w10: J3.B5@3644.61,-2831.73 3644.61,-2874 3654.61,-2884 3677,-2884 3687,-2874 v1(3687,-2863)
  BOTTOM w8: U2.7@3646,-2945.4 3646,-2922.67 C71.1@3660,-2908.67 3664.32,-2908.67 3707.76,-2865.23 D31.1@3707.76,-2859.51 3690.49,-2859.51 v1(3687,-2863)
USBC_LSW_EN: R55.2 R89.1 U7.4 | length 125.8
  TOP w5: v1(3896,-2592) 3897.4,-2593.4 U7.4@3897.4,-2625.68
  BOTTOM w5: R55.2@3852,-2644.19 3888.06,-2644.19 R89.1@3896,-2636.25 v1(3896,-2592)
USBC_LSW_EN_R: Q26.3 R55.1 R79.2 | length 895.2
  ART04 w5: v1(3482,-2960.86) 3561.14,-3040 3705.73,-3040 3752.37,-2993.36 3846.64,-2993.36 3874,-2966 3874,-2748 3879.5,-2742.5 3879.5,-2675.5 v1(3867.81,-2663.81)
  BOTTOM w5: v1(3482,-2960.86) Q26.3@3515.37,-2960.86 3515.37,-2928.64 3531.15,-2912.86 R79.2@3556.19,-2912.86 ; R55.1@3852,-2667.81 3863.81,-2667.81 v1(3867.81,-2663.81)
USBC_MUX_SEL: R138.2 R139.1 U2.9 U10.8 | length 2317.9
  ART03 w5: v1(2838.35,-2179.95) 2880,-2138.3 2880,-2016 2853,-1989 2853,-1781.55 v1(2858.72,-1775.83)
  ART04 w5: v1(2838.35,-2179.95) 2853.9,-2195.5 3227.11,-2195.5 3343.36,-2079.25 3373.59,-2079.25 3394.12,-2099.78 3394.12,-2831.4 3579.22,-3016.5 3646.5,-3016.5 v1(3693,-2970)
  BOTTOM w5: v1(2858.72,-1775.83) v1(2858.72,-1775.83) 2848.02,-1775.79 R138.2@2839.81,-1784 R139.1@2839.81,-1816 2864,-1816 2865.06,-1814.94 U10.8@2900.94,-1814.94 ; U2.9@3671.59,-2970.99 3692.01,-2970.99 v1(3693,-2970)
USBC_RX1_N: J3.B10 U8.4 U8.7 U10.17 | length 1217.1
  TOP w4.06: v1(3255.57,-2351.96) 3260.53,-2356.92 3266.88,-2356.92 cw(c3266.88,-2372) 3281.96,-2372 3281.96,-2400.42 ccw(c3443.42,-2400.42) 3329.3,-2514.64 3450.86,-2636.2 ccw(c3463.99,-2623.07) 3463.99,-2641.64 cw(c3464,-2661.65) 3478.15,-2647.5 3485.99,-2655.34 3485.99,-2658.9 3495.32,-2668.23 U8.4@3495.32,-2678.78 U8.7@3495.32,-2713.22 3495.32,-2723.68 3491,-2728 3491,-2740.09 v1(3495.41,-2744.5) ; J3.B10@3546.18,-2831.73 3546.18,-2818.18 3541,-2813 3541,-2802.29 v1(3546.32,-2796.97)
  BOTTOM w4.06: U10.17@2999.36,-1933.05 3013.05,-1933.05 3017.71,-1937.71 3064.45,-1937.71 cw(c3064.45,-1967.62) 3094.36,-1967.62 3094.36,-2106.02 ccw(c3124.28,-2105.96) 3103.13,-2127.12 3174.77,-2198.77 cw(c3152.47,-2221.06) 3184,-2221.06 3184,-2285.43 ; 3184.01,-2285.42 ccw(c3228.86,-2285.43) 3197.14,-2317.14 3231.54,-2351.54 ccw(c3245.38,-2337.73) 3245.37,-2357.28 3250.25,-2357.28 v1(3255.57,-2351.96) ; v1(3495.41,-2744.5) 3490,-2749.91 3490,-2755.94 3492.52,-2758.46 3496.23,-2760 3524,-2760 cw(c3524,-2776) 3540,-2776 3540,-2790.65 v1(3546.32,-2796.97)
USBC_RX1_P: J3.B11 U8.5 U8.6 U10.18 | length 1218
  TOP w4.06: v1(3255.57,-2372.96) 3261.16,-2367.37 cw(c3261.38,-2367.59) 3261.38,-2367.28 3266.88,-2367.28 cw(c3266.88,-2372) 3271.6,-2372 3271.6,-2400.42 ccw(c3443.43,-2400.43) 3321.97,-2521.97 3443.53,-2643.53 ccw(c3463.98,-2623.07) 3463.99,-2652 cw(c3464,-2661.65) 3468,-2652.87 cw(c3463.99,-2661.65) 3470.82,-2654.83 3475.63,-2659.64 U8.5@3475.63,-2678.78 U8.6@3475.63,-2713.22 3475.63,-2722.99 3480.64,-2728 3480.64,-2738.27 v1(3474.41,-2744.5) ; v1(3525.32,-2796.97) 3530.64,-2802.29 3530.64,-2814.36 3526.5,-2818.5 J3.B11@3526.5,-2831.73
  BOTTOM w4.06: U10.18@2999.36,-1952.74 3011.26,-1952.74 3015.93,-1948.07 3064.45,-1948.07 cw(c3064.45,-1967.62) 3084,-1967.62 3084,-1979.8 3077.7,-1986.1 3077.7,-1998.28 3084,-2004.58 3084,-2016.76 3077.7,-2023.06 3077.7,-2035.24 3084,-2041.54 3084,-2106.03 ccw(c3124.29,-2105.97) 3095.79,-2134.45 3111.9,-2150.56 3111.9,-2159.48 3120.52,-2168.1 3129.44,-2168.1 3138.05,-2176.71 3138.05,-2185.63 3146.66,-2194.24 3155.58,-2194.24 3167.44,-2206.1 cw(c3152.47,-2221.07) 3173.64,-2221.06 3173.64,-2285.42 ccw(c3228.86,-2285.43) 3189.81,-2324.47 3224.21,-2358.87 ccw(c3245.37,-2337.73) 3245.36,-2367.64 3250.25,-2367.64 v1(3255.57,-2372.96) ; v1(3474.41,-2744.5) 3479.64,-2749.73 3479.64,-2760.24 3486.64,-2767.25 3490.4,-2768.8 3494.17,-2770.36 3524,-2770.36 cw(c3524,-2776) 3529.64,-2776 3529.64,-2792.65 v1(3525.32,-2796.97)
USBC_RX2_N: J3.A10 U9.1 U9.10 U10.13 | length 1442.1
  TOP w4.06: v1(3691.63,-2633.76) 3696.95,-2639.08 3696.95,-2664 3692.63,-2668.32 U9.10@3692.63,-2678.78 U9.1@3692.63,-2713.22 3692.63,-2722.63 3698.48,-2728.48 3698.48,-2745.52 3693.82,-2750.18 J3.A10@3693.82,-2765.19
  BOTTOM w4.06: U10.13@2999.36,-1854.31 3010.27,-1854.28 3014.94,-1858.95 3119.05,-1858.95 cw(c3119.05,-1923.07) 3164.39,-1877.73 3276.56,-1989.9 3285.48,-1989.9 3294.1,-1998.52 3294.1,-2007.44 3302.71,-2016.05 3311.63,-2016.05 3320.24,-2024.66 3320.24,-2033.58 3328.85,-2042.19 3337.77,-2042.19 3346.38,-2050.8 3346.38,-2059.72 3369.26,-2082.6 cw(c3312.96,-2138.9) 3392.58,-2138.9 3392.58,-2318.12 cw(c3370.1,-2318.12) 3385.99,-2334.02 ; 3385.97,-2334.04 ccw(c3408.64,-2356.71) 3376.58,-2356.71 3376.58,-2481.41 ccw(c3461.49,-2481.41) 3401.45,-2541.45 3441.59,-2581.59 ccw(c3511.58,-2511.6) 3511.58,-2610.58 3626.37,-2610.58 cw(c3626.36,-2650.27) 3654.42,-2622.2 3676.47,-2644.25 ccw(c3687.66,-2633.08) 3687.65,-2648.89 3692.89,-2648.89 ccw(c3692.89,-2644.83) 3696.95,-2644.83 3696.95,-2639.08 v1(3691.63,-2633.76)

## Text inside footprints (layer, text, board x,y; h text height)
J5: PIN_NUMBER "69" at 120.87,-1229.78 h9.25 r270; PIN_NUMBER "10" at 422.05,-649.07 h9.25 r270; PIN_NUMBER "38" at 422.05,-924.66 h9.25 r270; PIN_NUMBER "20" at 422.05,-747.5 h9.25 r270; PIN_NUMBER "22" at 422.05,-767.18 h9.25 r270; PIN_NUMBER "24" at 422.05,-786.87 h9.25 r270; PIN_NUMBER "26" at 422.05,-806.55 h9.25 r270; PIN_NUMBER "28" at 422.05,-826.24 h9.25 r270; PIN_NUMBER "30" at 422.05,-845.92 h9.25 r270; PIN_NUMBER "32" at 422.05,-865.61 h9.25 r270; PIN_NUMBER "34" at 422.05,-885.29 h9.25 r270; PIN_NUMBER "36" at 422.05,-904.98 h9.25 r270; PIN_NUMBER "46" at 422.05,-1003.4 h9.25 r270; PIN_NUMBER "48" at 422.05,-1023.09 h9.25 r270; PIN_NUMBER "6" at 414.65,-609.7 h9.25 r270; PIN_NUMBER "67" at 120.87,-1210.09 h9.25 r270; PIN_NUMBER "8" at 414.65,-629.39 h9.25 r270; PIN_NUMBER "17" at 120.87,-715.4 h9.25 r270; PIN_NUMBER "5" at 113.47,-597.29 h9.25 r270; PIN_NUMBER "19" at 120.87,-737.65 h9.25 r270; PIN_NUMBER "7" at 113.47,-616.98 h9.25 r270; PIN_NUMBER "23" at 120.87,-777.02 h9.25 r270; PIN_NUMBER "11" at 120.87,-656.35 h9.25 r270; PIN_NUMBER "25" at 120.87,-796.71 h9.25 r270; PIN_NUMBER "13" at 120.87,-676.03 h9.25 r270; PIN_NUMBER "58" at 422.05,-1121.51 h9.25 r270; PIN_NUMBER "56" at 422.05,-1101.83 h9.25 r270; PIN_NUMBER "G1" at 153.35,-1332.14 h9.25 r270; PIN_NUMBER "45" at 120.87,-993.56 h9.25 r270; PIN_NUMBER "71" at 120.87,-1249.46 h9.25 r270; PIN_NUMBER "75" at 120.87,-1288.83 h9.25 r270; PIN_NUMBER "73" at 120.87,-1269.15 h9.25 r270; PIN_NUMBER "1" at 113.47,-557.92 h9.25 r270; PIN_NUMBER "3" at 113.47,-577.61 h9.25 r270; PIN_NUMBER "9" at 113.47,-636.66 h9.25 r270; PIN_NUMBER "15" at 120.87,-695.72 h9.25 r270; PIN_NUMBER "21" at 120.87,-757.34 h9.25 r270; PIN_NUMBER "39" at 120.87,-934.5 h9.25 r270; PIN_NUMBER "27" at 120.87,-816.39 h9.25 r270; PIN_NUMBER "33" at 120.87,-875.45 h9.25 r270; PIN_NUMBER "57" at 120.87,-1111.67 h9.25 r270; PIN_NUMBER "51" at 120.87,-1052.61 h9.25 r270; PIN_NUMBER "G2" at 153.35,-517.18 h9.25 r270; PIN_NUMBER "54" at 422.05,-1082.14 h9.25 r270; PIN_NUMBER "70" at 422.05,-1239.62 h9.25 r270; PIN_NUMBER "72" at 422.05,-1259.31 h9.25 r270; PIN_NUMBER "74" at 422.05,-1278.99 h9.25 r270; PIN_NUMBER "4" at 414.65,-590.02 h9.25 r270; PIN_NUMBER "2" at 414.65,-570.33 h9.25 r270; PIN_NUMBER "18" at 422.05,-727.81 h9.25 r270; PIN_NUMBER "16" at 422.05,-708.13 h9.25 r270; PIN_NUMBER "14" at 422.05,-688.44 h9.25 r270; PIN_NUMBER "12" at 422.05,-668.76 h9.25 r270; PIN_NUMBER "49" at 120.87,-1032.93 h9.25 r270; PIN_NUMBER "47" at 120.87,-1013.24 h9.25 r270; PIN_NUMBER "68" at 422.05,-1219.94 h9.25 r270; PIN_NUMBER "44" at 422.05,-983.72 h9.25 r270; PIN_NUMBER "42" at 422.05,-964.03 h9.25 r270; PIN_NUMBER "40" at 422.05,-944.35 h9.25 r270; PIN_NUMBER "43" at 120.87,-973.87 h9.25 r270; PIN_NUMBER "41" at 120.87,-954.19 h9.25 r270; PIN_NUMBER "50" at 422.05,-1042.77 h9.25 r270; PIN_NUMBER "52" at 422.05,-1062.46 h9.25 r270; PIN_NUMBER "37" at 120.87,-914.82 h9.25 r270; PIN_NUMBER "35" at 120.87,-895.13 h9.25 r270; PIN_NUMBER "31" at 120.87,-855.76 h9.25 r270; PIN_NUMBER "29" at 120.87,-836.08 h9.25 r270; PIN_NUMBER "55" at 120.87,-1091.98 h9.25 r270; PIN_NUMBER "53" at 120.87,-1072.3 h9.25 r270; Bottom Overlay "1" at 59.12,-538.11 h9.25 r270
J6: PIN_NUMBER "2" at 1046.61,-2804.28 h25 r180; PIN_NUMBER "5" at 987.56,-2804.28 h25 r180; PIN_NUMBER "8" at 928.5,-2804.28 h25 r180; PIN_NUMBER "22" at 1188.19,-3032.63 h25 r180; PIN_NUMBER "23" at 570.07,-3032.63 h25 r180; PIN_NUMBER "20" at 593.7,-2839.71 h25 r180; PIN_NUMBER "21" at 1164.56,-2839.71 h25 r180; PIN_NUMBER "17" at 741.33,-2804.28 h25 r180; PIN_NUMBER "11" at 859.44,-2804.28 h25 r180; PIN_NUMBER "12" at 839.76,-2804.28 h25 r180; PIN_NUMBER "1" at 1066.3,-2804.28 h25 r180; PIN_NUMBER "6" at 967.87,-2804.28 h25 r180; PIN_NUMBER "3" at 1026.93,-2804.28 h25 r180; PIN_NUMBER "7" at 948.19,-2804.28 h25 r180; PIN_NUMBER "9" at 908.82,-2804.28 h25 r180; PIN_NUMBER "15" at 780.7,-2804.28 h25 r180; PIN_NUMBER "16" at 761.02,-2804.28 h25 r180; PIN_NUMBER "10" at 879.13,-2804.28 h25 r180; PIN_NUMBER "18" at 721.65,-2804.28 h25 r180; PIN_NUMBER "4" at 1007.24,-2804.28 h25 r180; PIN_NUMBER "19" at 701.96,-2804.28 h25 r180; PIN_NUMBER "13" at 820.07,-2804.28 h25 r180; PIN_NUMBER "14" at 800.39,-2804.28 h25 r180
J7: PIN_NUMBER "1" at 617.6,-2229 h31 r180; PIN_NUMBER "2" at 522.6,-2229 h31 r180
J8: PIN_NUMBER "3" at 3217.6,-2259 h31; PIN_NUMBER "4" at 3322.6,-2259 h31; PIN_NUMBER "2" at 3112.6,-2259 h31; PIN_NUMBER "1" at 3017.6,-2259 h31
J9: PIN_NUMBER "13" at 3139.24,-2643.21 h20; PIN_NUMBER "14" at 3239.24,-2593.21 h20; PIN_NUMBER "12" at 2889.24,-2643.21 h20; PIN_NUMBER "20" at 3323.49,-2623.92 h20; PIN_NUMBER "19" at 2705.38,-2623.92 h20; PIN_NUMBER "11" at 2789.24,-2593.21 h20; PIN_NUMBER "1" at 2797.24,-2394 h20; PIN_NUMBER "2" at 2847.24,-2494 h20; PIN_NUMBER "3" at 2897.24,-2394 h20; PIN_NUMBER "6" at 3047.24,-2494 h20; PIN_NUMBER "7" at 3097.24,-2394 h20; PIN_NUMBER "8" at 3147.24,-2494 h20; PIN_NUMBER "9" at 3197.24,-2394 h20; PIN_NUMBER "10" at 3239.24,-2494 h20; PIN_NUMBER "17" at 3175.85,-2903.84 h20; PIN_NUMBER "15" at 2753.02,-2903.84 h20; PIN_NUMBER "16" at 2853.02,-2903.84 h20; PIN_NUMBER "5" at 2997.24,-2394 h20; PIN_NUMBER "4" at 2947.24,-2494 h20; PIN_NUMBER "18" at 3275.85,-2903.84 h20
J10: PIN_NUMBER "2" at 2338.6,-419 h31; PIN_NUMBER "1" at 2243.6,-419 h31; PIN_NUMBER "3" at 2443.6,-419 h31; PIN_NUMBER "4" at 2548.6,-419 h31
J14: PIN_NUMBER "69" at 124.87,-2141.78 h9.25 r270; PIN_NUMBER "10" at 426.05,-1561.07 h9.25 r270; PIN_NUMBER "38" at 426.05,-1836.66 h9.25 r270; PIN_NUMBER "20" at 426.05,-1659.5 h9.25 r270; PIN_NUMBER "22" at 426.05,-1679.18 h9.25 r270; PIN_NUMBER "24" at 426.05,-1698.87 h9.25 r270; PIN_NUMBER "26" at 426.05,-1718.55 h9.25 r270; PIN_NUMBER "28" at 426.05,-1738.24 h9.25 r270; PIN_NUMBER "30" at 426.05,-1757.92 h9.25 r270; PIN_NUMBER "32" at 426.05,-1777.61 h9.25 r270; PIN_NUMBER "34" at 426.05,-1797.29 h9.25 r270; PIN_NUMBER "36" at 426.05,-1816.98 h9.25 r270; PIN_NUMBER "46" at 426.05,-1915.4 h9.25 r270; PIN_NUMBER "48" at 426.05,-1935.09 h9.25 r270; PIN_NUMBER "6" at 418.65,-1521.7 h9.25 r270; PIN_NUMBER "67" at 124.87,-2122.09 h9.25 r270; PIN_NUMBER "8" at 418.65,-1541.39 h9.25 r270; PIN_NUMBER "58" at 426.05,-2033.51 h9.25 r270; PIN_NUMBER "56" at 426.05,-2013.83 h9.25 r270; PIN_NUMBER "G2" at 157.35,-1429.18 h9.25 r270; PIN_NUMBER "51" at 124.87,-1964.61 h9.25 r270; PIN_NUMBER "45" at 124.87,-1905.56 h9.25 r270; PIN_NUMBER "39" at 124.87,-1846.5 h9.25 r270; PIN_NUMBER "33" at 124.87,-1787.45 h9.25 r270; PIN_NUMBER "1" at 117.47,-1469.92 h9.25 r270; PIN_NUMBER "3" at 117.47,-1489.61 h9.25 r270; PIN_NUMBER "9" at 117.47,-1548.66 h9.25 r270; PIN_NUMBER "15" at 124.87,-1607.72 h9.25 r270; PIN_NUMBER "21" at 124.87,-1669.34 h9.25 r270; PIN_NUMBER "27" at 124.87,-1728.39 h9.25 r270; PIN_NUMBER "G1" at 157.35,-2244.14 h9.25 r270; PIN_NUMBER "75" at 124.87,-2200.83 h9.25 r270; PIN_NUMBER "73" at 124.87,-2181.15 h9.25 r270; PIN_NUMBER "71" at 124.87,-2161.46 h9.25 r270; PIN_NUMBER "57" at 124.87,-2023.67 h9.25 r270; PIN_NUMBER "55" at 124.87,-2003.98 h9.25 r270; PIN_NUMBER "7" at 117.47,-1528.98 h9.25 r270; PIN_NUMBER "19" at 124.87,-1649.65 h9.25 r270; PIN_NUMBER "54" at 426.05,-1994.14 h9.25 r270; PIN_NUMBER "52" at 426.05,-1974.46 h9.25 r270; PIN_NUMBER "53" at 124.87,-1984.3 h9.25 r270; PIN_NUMBER "50" at 426.05,-1954.77 h9.25 r270; PIN_NUMBER "31" at 124.87,-1767.76 h9.25 r270; PIN_NUMBER "29" at 124.87,-1748.08 h9.25 r270; PIN_NUMBER "17" at 124.87,-1627.4 h9.25 r270; PIN_NUMBER "5" at 117.47,-1509.29 h9.25 r270; PIN_NUMBER "43" at 124.87,-1885.87 h9.25 r270; PIN_NUMBER "41" at 124.87,-1866.19 h9.25 r270; PIN_NUMBER "4" at 418.65,-1502.02 h9.25 r270; PIN_NUMBER "2" at 418.65,-1482.33 h9.25 r270; PIN_NUMBER "18" at 426.05,-1639.81 h9.25 r270; PIN_NUMBER "16" at 426.05,-1620.13 h9.25 r270; PIN_NUMBER "14" at 426.05,-1600.44 h9.25 r270; PIN_NUMBER "12" at 426.05,-1580.76 h9.25 r270; PIN_NUMBER "70" at 426.05,-2151.62 h9.25 r270; PIN_NUMBER "74" at 426.05,-2190.99 h9.25 r270; PIN_NUMBER "72" at 426.05,-2171.31 h9.25 r270; PIN_NUMBER "44" at 426.05,-1895.72 h9.25 r270; PIN_NUMBER "68" at 426.05,-2131.94 h9.25 r270; PIN_NUMBER "35" at 124.87,-1807.13 h9.25 r270; PIN_NUMBER "37" at 124.87,-1826.82 h9.25 r270; PIN_NUMBER "49" at 124.87,-1944.93 h9.25 r270; PIN_NUMBER "25" at 124.87,-1708.71 h9.25 r270; PIN_NUMBER "23" at 124.87,-1689.02 h9.25 r270; PIN_NUMBER "47" at 124.87,-1925.24 h9.25 r270; PIN_NUMBER "13" at 124.87,-1588.03 h9.25 r270; PIN_NUMBER "11" at 124.87,-1568.35 h9.25 r270; PIN_NUMBER "42" at 426.05,-1876.03 h9.25 r270; PIN_NUMBER "40" at 426.05,-1856.35 h9.25 r270